# EAGLE board Mk4 Final Panel 8up 2x4 (EAGLE 9.0.1), part 21 of 23
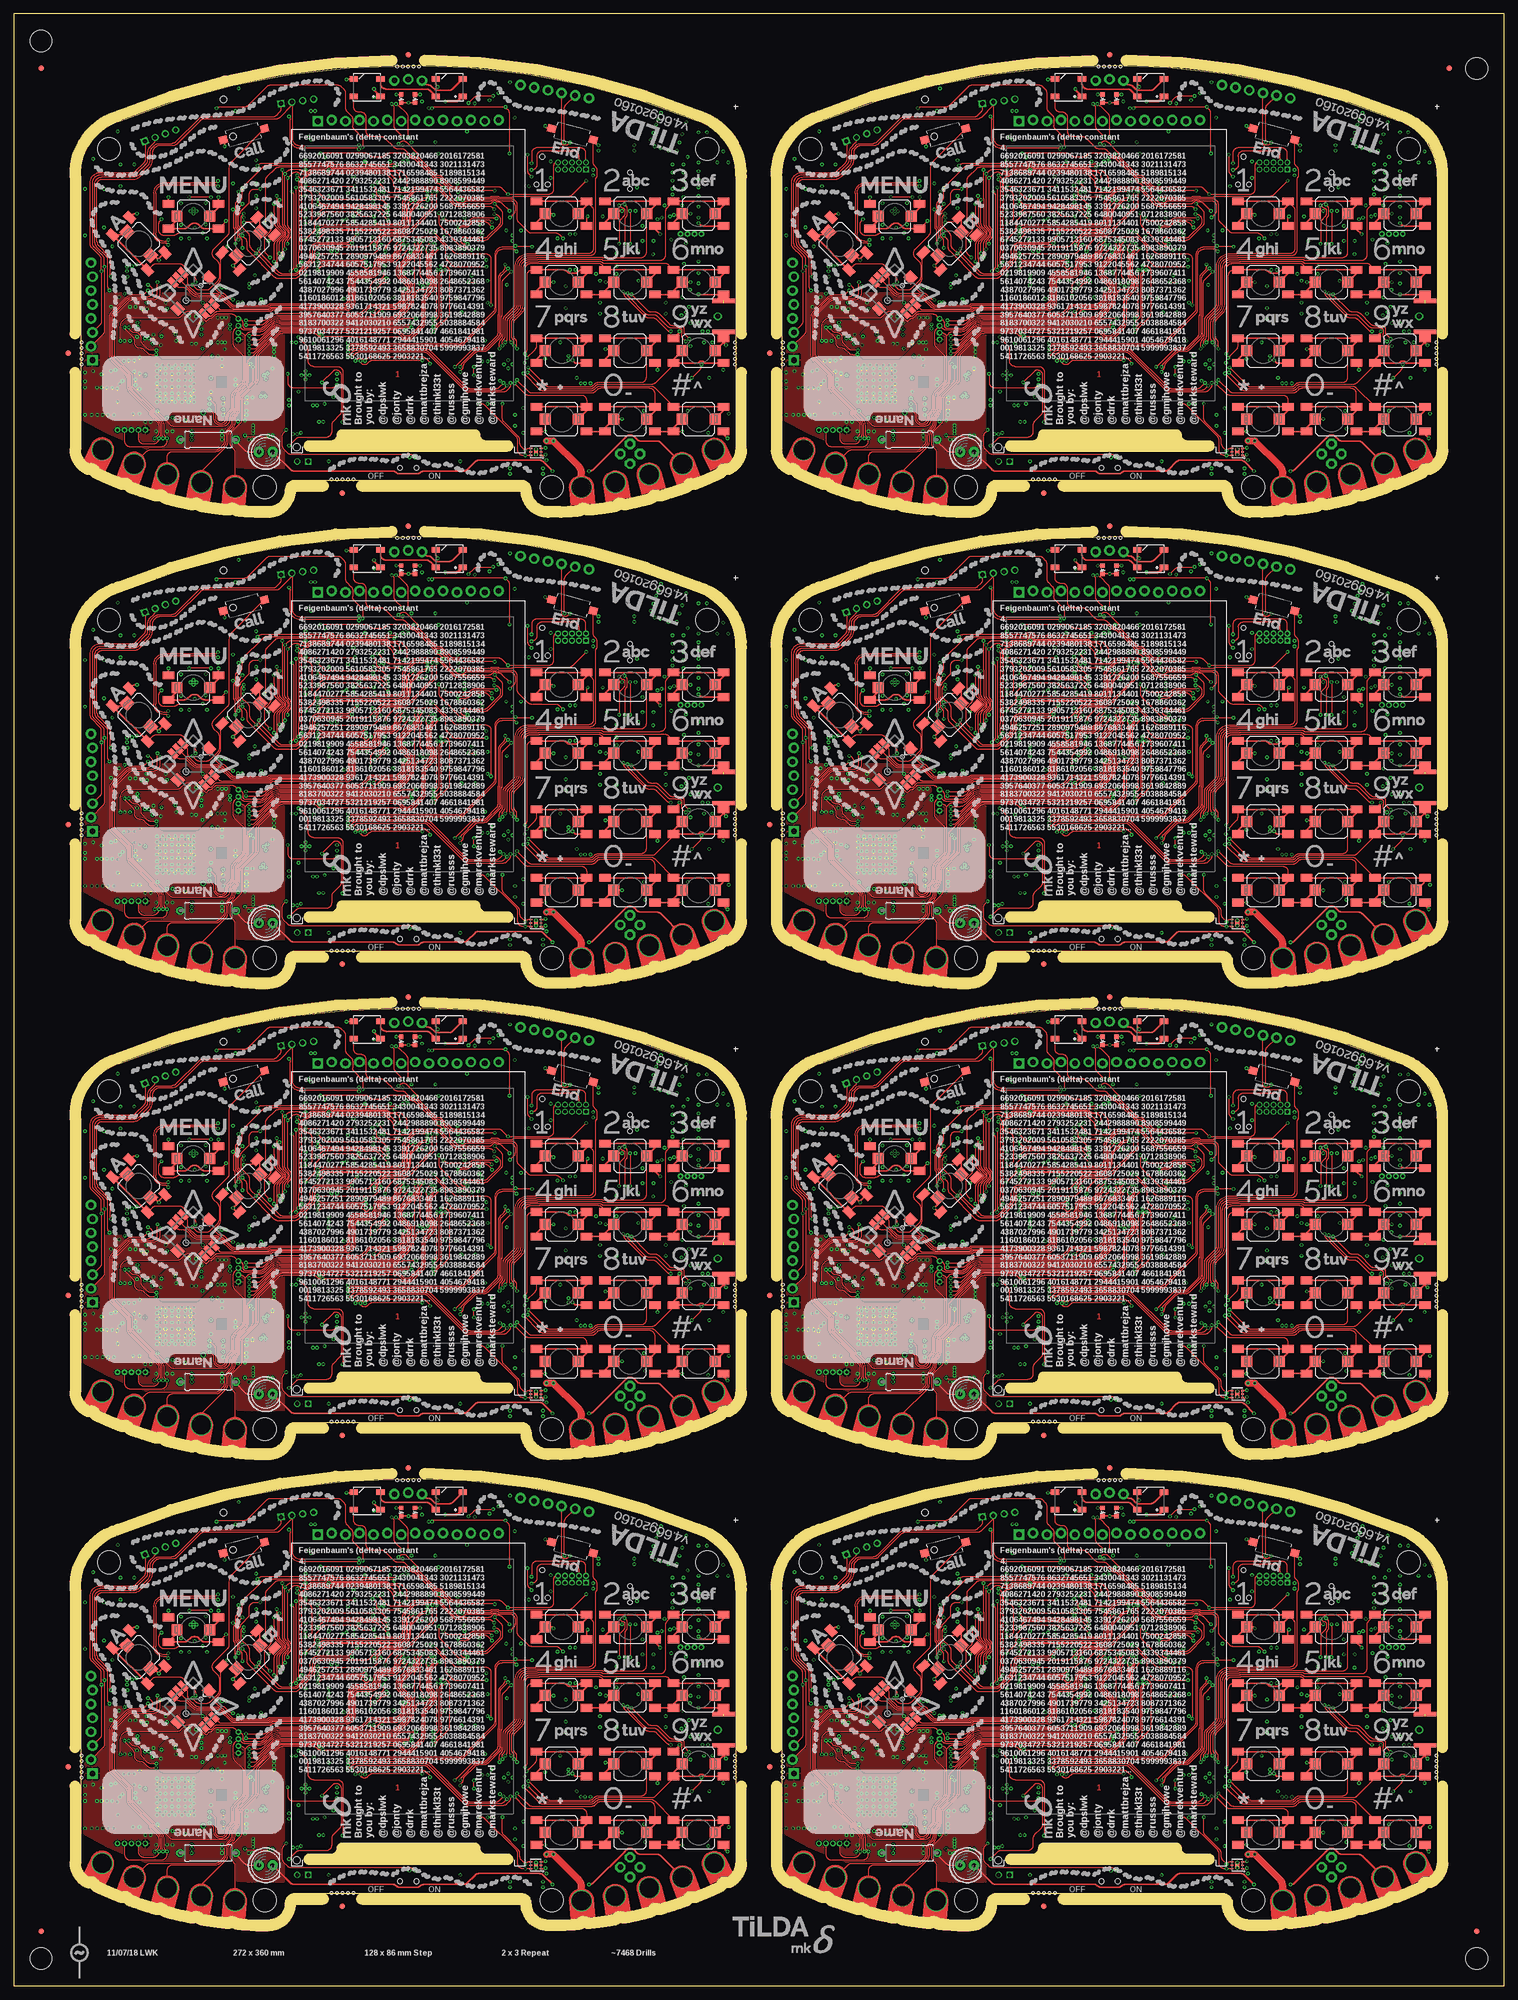
[diagram p0: board, top side]
## Tracks (layer width: path | path; a pad name or v marks a point on that pad's centre or on a via) (continued)
T4CCP14  (via drill 0.3)
  Top 0.15: v205,317.2 204.72,316.92 arc45 204.57,316.57 arc-45 204.46,316.3 204.19,316.03 arc45 203.9,315.32 203.9,312.61 arc45 204.19,311.91 204.42,311.68 arc-45 204.6,311.24 204.62,311.22 204.62,310.55 arc-45 204.19,309.49 203.17,308.47 arc45 202.8,307.58 202.8,303.72 arc-45 202.43,302.83 200.87,301.27 arc-45 199.98,300.9 199.41,300.9 arc-45 198.71,301.19 198.29,301.61 arc45 197.59,301.9 184.26,301.9 arc45 183.9,301.75 v183.8,301.65 183.74,301.71 arc45 183.04,302 177.07,302 arc45 176.19,301.63 172.67,298.12 arc45 172.3,297.23 172.3,293.41 arc-45 172.01,292.71 169.67,290.37 arc45 169.3,289.48 169.3,288.01 arc-45 168.69,286.54 arc45 168.4,285.84 168.4,285.3 arc-45 167.96,284.24 167.52,283.79 arc45 167.15,282.91 167.15,281.97 arc-45 166.71,280.91 162.2,276.4 PCB7.CH2
  3V3@2 0.15: PCB7.CH2 | v150.4,314.2 150.4,313.9 150,313.5 150,311.5 149,310.5 147.5,310.5 146.6,309.6 146.6,308.6 142.37,304.37 JP71.4
  Bottom 0.15: v183.8,301.65 arc-45 183.29,301.86 180.34,304.81 arc45 178.92,305.4 173.23,305.4 arc-45 172.52,305.69 168.93,309.29 arc-45 168.8,309.6 168.8,309.75 arc90 167.05,311.5 164.06,311.5 arc-45 163.36,311.79 161.76,313.39 arc45 160.53,313.9 151.11,313.9 arc-45 v150.41,314.19 v150.4,314.2
  Bottom 0.2: v205,317.2 205.44,317.63 arc-90 206.14,317.63 206.43,317.35 arc45 206.78,317.2 IC128.127
T4CCP15  (via drill 0.3)
  Top 0.15: PCB7.CH1 168.38,279.9 arc45 168.09,280.61 167.74,280.96 arc-45 167.45,281.66 167.45,282.89 arc-45 167.74,283.59 169.28,285.12 arc45 169.6,285.91 169.6,289.46 arc-45 169.89,290.17 172.23,292.51 arc45 172.6,293.39 172.6,297.21 arc-45 172.89,297.92 176.38,301.41 arc-45 177.09,301.7 182.59,301.7 arc-45 183.29,301.41 183.45,301.25 arc45 183.81,301.1 v184.4,301.1 190,301.1 190.05,301.05 197.94,301.05 arc-45 198.64,300.76 arc45 199.02,300.6 200.08,300.6 arc45 201.14,301.04 202.66,302.56 arc45 203.1,303.62 203.1,307.49 arc-45 203.39,308.19 204.41,309.21 arc45 204.93,310.45 204.93,311.34 204.9,311.37 arc45 204.66,311.94 204.49,312.11 arc-45 204.2,312.81 204.2,315.19 arc-45 204.49,315.89 v205.8,317.2
  3V3@2 0.15: v149.6,313.9 149.6,311.6 149,311 147,311 146.25,310.25 146.25,309 144.16,306.91 JP71.5
  Bottom 0.15: v184.4,301.1 183.81,301.1 arc-45 183.45,301.25 180.11,304.59 arc45 178.88,305.1 173.11,305.1 arc-45 172.4,305.39 168.65,309.15 arc-45 168.5,309.5 168.5,309.7 arc90 167,311.2 164.02,311.2 arc-45 163.13,311.57 161.54,313.16 arc45 160.48,313.6 150.31,313.6 arc-45 v149.61,313.89 v149.6,313.9
  Bottom 0.2: IC128.128 206.41,316.8 arc-45 206.05,316.95 v205.8,317.2
TCA_!INT  (via drill 0.3)
  Top 0.15: v72.4,58.6 arc-45 72.12,58.02 70.29,56.19 arc90 70.29,53.71 71.85,52.15 arc-45 72,51.79 72,51.71 arc-45 71.85,51.35 71.65,51.15 arc45 71.5,50.79 71.5,50.35 arc-45 71.06,49.28 70.61,48.84 arc-45 69.55,48.4 66.91,48.4 arc45 66.21,48.11 v65.7,47.6
  Bottom 0.15: R76.1 66.7,39.25 arc-90 65.7,40.25 v65.7,47.6 | IC1.15 72.6,58.19 arc45 72.45,58.55 v72.4,58.6
  Bottom 0.2: IC4.22 87.71,38.25 arc-45 87.35,38.4 87.06,38.69 arc-45 87.05,38.72 arc45 86.9,39.07 86.87,39.1 arc45 86.52,39.25 R76.1
TCA_!INT1  (via drill 0.3)
  Top 0.15: v200.4,58.6 arc-45 200.12,58.02 198.29,56.19 arc90 198.29,53.71 199.85,52.15 arc-45 200,51.79 200,51.71 arc-45 199.85,51.35 199.65,51.15 arc45 199.5,50.79 199.5,50.35 arc-45 199.06,49.28 198.62,48.84 arc-45 197.55,48.4 194.91,48.4 arc45 194.21,48.11 v193.7,47.6
  Bottom 0.15: R152.1 194.7,39.25 arc-90 193.7,40.25 v193.7,47.6 | IC20.15 200.6,58.19 arc45 200.45,58.55 v200.4,58.6
  Bottom 0.2: IC31.22 215.71,38.25 arc-45 215.35,38.4 215.06,38.69 arc-45 215.05,38.72 arc45 214.9,39.07 214.87,39.1 arc45 214.51,39.25 R152.1
TCA_!INT2  (via drill 0.3)
  Top 0.15: v72.4,144.6 arc-45 72.12,144.02 70.29,142.19 arc90 70.29,139.71 71.85,138.15 arc-45 72,137.79 72,137.71 arc-45 71.85,137.35 71.65,137.15 arc45 71.5,136.79 71.5,136.35 arc-45 71.06,135.28 70.61,134.84 arc-45 69.55,134.4 66.91,134.4 arc45 66.21,134.11 v65.7,133.6
  Bottom 0.15: R230.1 66.7,125.25 arc-90 65.7,126.25 v65.7,133.6 | IC38.15 72.6,144.19 arc45 72.45,144.55 v72.4,144.6
  Bottom 0.2: IC49.22 87.71,124.25 arc-45 87.35,124.4 87.06,124.69 arc-45 87.05,124.72 arc45 86.9,125.07 86.87,125.1 arc45 86.52,125.25 R230.1
TCA_!INT3  (via drill 0.3)
  Top 0.15: v200.4,144.6 arc-45 200.12,144.02 198.29,142.19 arc90 198.29,139.71 199.85,138.15 arc-45 200,137.79 200,137.71 arc-45 199.85,137.35 199.65,137.15 arc45 199.5,136.79 199.5,136.35 arc-45 199.06,135.28 198.62,134.84 arc-45 197.55,134.4 194.91,134.4 arc45 194.21,134.11 v193.7,133.6
  Bottom 0.15: R308.1 194.7,125.25 arc-90 193.7,126.25 v193.7,133.6 | IC56.15 200.6,144.19 arc45 200.45,144.55 v200.4,144.6
  Bottom 0.2: IC67.22 215.71,124.25 arc-45 215.35,124.4 215.06,124.69 arc-45 215.05,124.72 arc45 214.9,125.07 214.87,125.1 arc45 214.51,125.25 R308.1
TCA_!INT4  (via drill 0.3)
  Top 0.15: v72.4,230.6 arc-45 72.12,230.02 70.29,228.19 arc90 70.29,225.71 71.85,224.15 arc-45 72,223.79 72,223.71 arc-45 71.85,223.35 71.65,223.15 arc45 71.5,222.79 71.5,222.35 arc-45 71.06,221.28 70.61,220.84 arc-45 69.55,220.4 66.91,220.4 arc45 66.21,220.11 v65.7,219.6
  Bottom 0.15: R386.1 66.7,211.25 arc-90 65.7,212.25 v65.7,219.6 | IC74.15 72.6,230.19 arc45 72.45,230.55 v72.4,230.6
  Bottom 0.2: IC85.22 87.71,210.25 arc-45 87.35,210.4 87.06,210.69 arc-45 87.05,210.72 arc45 86.9,211.07 86.87,211.1 arc45 86.52,211.25 R386.1
TCA_!INT5  (via drill 0.3)
  Top 0.15: v200.4,230.6 arc-45 200.12,230.02 198.29,228.19 arc90 198.29,225.71 199.85,224.15 arc-45 200,223.79 200,223.71 arc-45 199.85,223.35 199.65,223.15 arc45 199.5,222.79 199.5,222.35 arc-45 199.06,221.28 198.62,220.84 arc-45 197.55,220.4 194.91,220.4 arc45 194.21,220.11 v193.7,219.6
  Bottom 0.15: R464.1 194.7,211.25 arc-90 193.7,212.25 v193.7,219.6 | IC92.15 200.6,230.19 arc45 200.45,230.55 v200.4,230.6
  Bottom 0.2: IC103.22 215.71,210.25 arc-45 215.35,210.4 215.06,210.69 arc-45 215.05,210.72 arc45 214.9,211.07 214.87,211.1 arc45 214.51,211.25 R464.1
TCA_!INT6  (via drill 0.3)
  Top 0.15: v72.4,316.6 arc-45 72.12,316.02 70.29,314.19 arc90 70.29,311.71 71.85,310.15 arc-45 72,309.79 72,309.71 arc-45 71.85,309.35 71.65,309.15 arc45 71.5,308.79 71.5,308.35 arc-45 71.06,307.29 70.61,306.84 arc-45 69.55,306.4 66.91,306.4 arc45 66.21,306.11 v65.7,305.6
  Bottom 0.15: R542.1 66.7,297.25 arc-90 65.7,298.25 v65.7,305.6 | IC110.15 72.6,316.19 arc45 72.45,316.55 v72.4,316.6
  Bottom 0.2: IC121.22 87.71,296.25 arc-45 87.35,296.4 87.06,296.69 arc-45 87.05,296.71 arc45 86.9,297.07 86.87,297.1 arc45 86.52,297.25 R542.1
TCA_!INT7  (via drill 0.3)
  Top 0.15: v200.4,316.6 arc-45 200.12,316.02 198.29,314.19 arc90 198.29,311.71 199.85,310.15 arc-45 200,309.79 200,309.71 arc-45 199.85,309.35 199.65,309.15 arc45 199.5,308.79 199.5,308.35 arc-45 199.06,307.29 198.62,306.84 arc-45 197.55,306.4 194.91,306.4 arc45 194.21,306.11 v193.7,305.6
  Bottom 0.15: R620.1 194.7,297.25 arc-90 193.7,298.25 v193.7,305.6 | IC128.15 200.6,316.19 arc45 200.45,316.55 v200.4,316.6
  Bottom 0.2: IC139.22 215.71,296.25 arc-45 215.35,296.4 215.06,296.69 arc-45 215.05,296.71 arc45 214.9,297.07 214.87,297.1 arc45 214.51,297.25 R620.1
TPS_FB
  Bottom 0.25: IC9.2 R61.1 R60.2 C103.2
TPS_FB1
  Bottom 0.25: IC33.2 R139.1 R138.2 C211.2
TPS_FB2
  Bottom 0.25: IC51.2 R217.1 R216.2 C319.2
TPS_FB3
  Bottom 0.25: IC69.2 R295.1 R294.2 C427.2
TPS_FB4
  Bottom 0.25: IC87.2 R373.1 R372.2 C535.2
TPS_FB5
  Bottom 0.25: IC105.2 R451.1 R450.2 C643.2
TPS_FB6
  Bottom 0.25: IC123.2 R529.1 R528.2 C751.2
TPS_FB7
  Bottom 0.25: IC141.2 R607.1 R606.2 C859.2
UART0_CON_RX  (via drill 0.3)
  Top 0.15: v65.9,59.05 65.9,59.16 66.18,59.44 arc45 66.33,59.79 66.33,59.82 arc-45 66.47,60.17 67.51,61.21 arc-45 68.21,61.5 70.66,61.5 arc45 72.61,62.3 76.91,66.61 arc45 77.2,67.31 v77.2,69.5 | v101.5,78.5 v101.49,78.5 101.11,78.12 arc-45 100.76,77.97 100.47,77.97 arc-90 99.97,78.47 JP8.4
  Bottom 0.15: v65.9,59.05 65.85,59.05 65.75,58.95 arc-45 65.39,58.8 IC1.33 | v77.2,69.5 arc-45 77.47,70.14 80.13,72.81 arc-45 80.84,73.1 89.19,73.1 arc45 89.89,73.39 94.01,77.51 arc-45 94.71,77.8 100.59,77.8 arc45 100.95,77.95 v101.5,78.5
UART0_CON_RX1  (via drill 0.3)
  Top 0.15: v193.9,59.05 193.9,59.16 194.18,59.44 arc45 194.32,59.79 194.32,59.82 arc-45 194.47,60.17 195.51,61.21 arc-45 196.21,61.5 198.66,61.5 arc45 200.6,62.3 204.91,66.61 arc45 205.2,67.31 v205.2,69.5 | v229.5,78.5 v229.49,78.5 229.11,78.12 arc-45 228.76,77.97 228.47,77.97 arc-90 227.97,78.47 JP18.4
  Bottom 0.15: v193.9,59.05 193.85,59.05 193.75,58.95 arc-45 193.39,58.8 IC20.33 | v205.2,69.5 arc-45 205.47,70.14 208.13,72.81 arc-45 208.84,73.1 217.19,73.1 arc45 217.89,73.39 222.01,77.51 arc-45 222.71,77.8 228.59,77.8 arc45 228.95,77.95 v229.5,78.5
UART0_CON_RX2  (via drill 0.3)
  Top 0.15: v65.9,145.05 65.9,145.16 66.18,145.44 arc45 66.33,145.79 66.33,145.82 arc-45 66.47,146.17 67.51,147.21 arc-45 68.21,147.5 70.66,147.5 arc45 72.61,148.31 76.91,152.61 arc45 77.2,153.31 v77.2,155.5 | v101.5,164.5 v101.49,164.5 101.11,164.12 arc-45 100.76,163.97 100.47,163.97 arc-90 99.97,164.47 JP27.4
  Bottom 0.15: v65.9,145.05 65.85,145.05 65.75,144.95 arc-45 65.39,144.8 IC38.33 | v77.2,155.5 arc-45 77.47,156.14 80.13,158.81 arc-45 80.84,159.1 89.19,159.1 arc45 89.89,159.39 94.01,163.51 arc-45 94.71,163.8 100.59,163.8 arc45 100.95,163.95 v101.5,164.5
UART0_CON_RX3  (via drill 0.3)
  Top 0.15: v193.9,145.05 193.9,145.16 194.18,145.44 arc45 194.32,145.79 194.32,145.82 arc-45 194.47,146.17 195.51,147.21 arc-45 196.21,147.5 198.66,147.5 arc45 200.6,148.31 204.91,152.61 arc45 205.2,153.31 v205.2,155.5 | v229.5,164.5 v229.49,164.5 229.11,164.12 arc-45 228.76,163.97 228.47,163.97 arc-90 227.97,164.47 JP36.4
  Bottom 0.15: v193.9,145.05 193.85,145.05 193.75,144.95 arc-45 193.39,144.8 IC56.33 | v205.2,155.5 arc-45 205.47,156.14 208.13,158.81 arc-45 208.84,159.1 217.19,159.1 arc45 217.89,159.39 222.01,163.51 arc-45 222.71,163.8 228.59,163.8 arc45 228.95,163.95 v229.5,164.5
UART0_CON_RX4  (via drill 0.3)
  Top 0.15: v65.9,231.05 65.9,231.16 66.18,231.44 arc45 66.33,231.79 66.33,231.82 arc-45 66.47,232.17 67.51,233.21 arc-45 68.21,233.5 70.66,233.5 arc45 72.61,234.31 76.91,238.61 arc45 77.2,239.31 v77.2,241.5 | v101.5,250.5 v101.49,250.5 101.11,250.12 arc-45 100.76,249.97 100.47,249.97 arc-90 99.97,250.47 JP45.4
  Bottom 0.15: v65.9,231.05 65.85,231.05 65.75,230.95 arc-45 65.39,230.8 IC74.33 | v77.2,241.5 arc-45 77.47,242.14 80.13,244.81 arc-45 80.84,245.1 89.19,245.1 arc45 89.89,245.39 94.01,249.51 arc-45 94.71,249.8 100.59,249.8 arc45 100.95,249.95 v101.5,250.5
UART0_CON_RX5  (via drill 0.3)
  Top 0.15: v193.9,231.05 193.9,231.16 194.18,231.44 arc45 194.32,231.79 194.32,231.82 arc-45 194.47,232.17 195.51,233.21 arc-45 196.21,233.5 198.66,233.5 arc45 200.6,234.31 204.91,238.61 arc45 205.2,239.31 v205.2,241.5 | v229.5,250.5 v229.49,250.5 229.11,250.12 arc-45 228.76,249.97 228.47,249.97 arc-90 227.97,250.47 JP54.4
  Bottom 0.15: v193.9,231.05 193.85,231.05 193.75,230.95 arc-45 193.39,230.8 IC92.33 | v205.2,241.5 arc-45 205.47,242.14 208.13,244.81 arc-45 208.84,245.1 217.19,245.1 arc45 217.89,245.39 222.01,249.51 arc-45 222.71,249.8 228.59,249.8 arc45 228.95,249.95 v229.5,250.5
UART0_CON_RX6  (via drill 0.3)
  Top 0.15: v65.9,317.05 65.9,317.16 66.18,317.44 arc45 66.33,317.79 66.33,317.82 arc-45 66.47,318.17 67.51,319.21 arc-45 68.21,319.5 70.66,319.5 arc45 72.61,320.31 76.91,324.61 arc45 77.2,325.31 v77.2,327.5 | v101.5,336.5 v101.49,336.5 101.11,336.12 arc-45 100.76,335.98 100.47,335.98 arc-90 99.97,336.48 JP63.4
  Bottom 0.15: v65.9,317.05 65.85,317.05 65.75,316.95 arc-45 65.39,316.8 IC110.33 | v77.2,327.5 arc-45 77.47,328.14 80.13,330.81 arc-45 80.84,331.1 89.19,331.1 arc45 89.89,331.39 94.01,335.51 arc-45 94.71,335.8 100.59,335.8 arc45 100.95,335.95 v101.5,336.5
UART0_CON_RX7  (via drill 0.3)
  Top 0.15: v193.9,317.05 193.9,317.16 194.18,317.44 arc45 194.32,317.79 194.32,317.82 arc-45 194.47,318.17 195.51,319.21 arc-45 196.21,319.5 198.66,319.5 arc45 200.6,320.31 204.91,324.61 arc45 205.2,325.31 v205.2,327.5 | v229.5,336.5 v229.49,336.5 229.11,336.12 arc-45 228.76,335.98 228.47,335.98 arc-90 227.97,336.48 JP72.4
  Bottom 0.15: v193.9,317.05 193.85,317.05 193.75,316.95 arc-45 193.39,316.8 IC128.33 | v205.2,327.5 arc-45 205.47,328.14 208.13,330.81 arc-45 208.84,331.1 217.19,331.1 arc45 217.89,331.39 222.01,335.51 arc-45 222.71,335.8 228.59,335.8 arc45 228.95,335.95 v229.5,336.5
UART0_CON_TX  (via drill 0.3)
  Top 0.15: v65.8,59.8 arc-45 65.94,60.14 67.23,61.43 arc-45 68.12,61.8 70.56,61.8 arc45 72.33,62.53 76.11,66.31 arc45 76.4,67.01 v76.4,69.5 | v100.5,78.5 100.5,84.67 arc-45 100.79,85.38 JP8.5
  Bottom 0.15: v76.4,69.5 80.01,73.11 arc-45 80.71,73.4 89.04,73.4 arc45 89.74,73.69 93.86,77.81 arc-45 94.56,78.1 99.99,78.1 arc45 100.35,78.25 100.5,78.4 v100.5,78.5 | IC1.34 64.99,59.2 arc45 65.35,59.35 v65.8,59.8
UART0_CON_TX1  (via drill 0.3)
  Top 0.15: v193.8,59.8 arc-45 193.94,60.14 195.23,61.43 arc-45 196.12,61.8 198.56,61.8 arc45 200.33,62.53 204.11,66.31 arc45 204.4,67.01 v204.4,69.5 | v228.5,78.5 228.5,84.67 arc-45 228.79,85.38 JP18.5
  Bottom 0.15: v204.4,69.5 208.01,73.11 arc-45 208.71,73.4 217.04,73.4 arc45 217.74,73.69 221.86,77.81 arc-45 222.56,78.1 227.99,78.1 arc45 228.35,78.25 228.5,78.4 v228.5,78.5 | IC20.34 192.99,59.2 arc45 193.35,59.35 v193.8,59.8
UART0_CON_TX2  (via drill 0.3)
  Top 0.15: v65.8,145.8 arc-45 65.94,146.14 67.23,147.43 arc-45 68.12,147.8 70.56,147.8 arc45 72.33,148.53 76.11,152.31 arc45 76.4,153.01 v76.4,155.5 | v100.5,164.5 100.5,170.67 arc-45 100.79,171.38 JP27.5
  Bottom 0.15: v76.4,155.5 80.01,159.11 arc-45 80.71,159.4 89.04,159.4 arc45 89.74,159.69 93.86,163.81 arc-45 94.56,164.1 99.99,164.1 arc45 100.35,164.25 100.5,164.4 v100.5,164.5 | IC38.34 64.99,145.2 arc45 65.35,145.35 v65.8,145.8
UART0_CON_TX3  (via drill 0.3)
  Top 0.15: v193.8,145.8 arc-45 193.94,146.14 195.23,147.43 arc-45 196.12,147.8 198.56,147.8 arc45 200.33,148.53 204.11,152.31 arc45 204.4,153.01 v204.4,155.5 | v228.5,164.5 228.5,170.67 arc-45 228.79,171.38 JP36.5
  Bottom 0.15: v204.4,155.5 208.01,159.11 arc-45 208.71,159.4 217.04,159.4 arc45 217.74,159.69 221.86,163.81 arc-45 222.56,164.1 227.99,164.1 arc45 228.35,164.25 228.5,164.4 v228.5,164.5 | IC56.34 192.99,145.2 arc45 193.35,145.35 v193.8,145.8
UART0_CON_TX4  (via drill 0.3)
  Top 0.15: v65.8,231.8 arc-45 65.94,232.14 67.23,233.43 arc-45 68.12,233.8 70.56,233.8 arc45 72.33,234.53 76.11,238.31 arc45 76.4,239.01 v76.4,241.5 | v100.5,250.5 100.5,256.67 arc-45 100.79,257.38 JP45.5
  Bottom 0.15: v76.4,241.5 80.01,245.11 arc-45 80.71,245.4 89.04,245.4 arc45 89.74,245.69 93.86,249.81 arc-45 94.56,250.1 99.99,250.1 arc45 100.35,250.25 100.5,250.4 v100.5,250.5 | IC74.34 64.99,231.2 arc45 65.35,231.35 v65.8,231.8
UART0_CON_TX5  (via drill 0.3)
  Top 0.15: v193.8,231.8 arc-45 193.94,232.14 195.23,233.43 arc-45 196.12,233.8 198.56,233.8 arc45 200.33,234.53 204.11,238.31 arc45 204.4,239.01 v204.4,241.5 | v228.5,250.5 228.5,256.67 arc-45 228.79,257.38 JP54.5
  Bottom 0.15: v204.4,241.5 208.01,245.11 arc-45 208.71,245.4 217.04,245.4 arc45 217.74,245.69 221.86,249.81 arc-45 222.56,250.1 227.99,250.1 arc45 228.35,250.25 228.5,250.4 v228.5,250.5 | IC92.34 192.99,231.2 arc45 193.35,231.35 v193.8,231.8
UART0_CON_TX6  (via drill 0.3)
  Top 0.15: v65.8,317.8 arc-45 65.94,318.14 67.23,319.43 arc-45 68.12,319.8 70.56,319.8 arc45 72.33,320.53 76.11,324.31 arc45 76.4,325.01 v76.4,327.5 | v100.5,336.5 100.5,342.67 arc-45 100.79,343.38 JP63.5
  Bottom 0.15: v76.4,327.5 80.01,331.11 arc-45 80.71,331.4 89.04,331.4 arc45 89.74,331.69 93.86,335.81 arc-45 94.56,336.1 99.99,336.1 arc45 100.35,336.25 100.5,336.4 v100.5,336.5 | IC110.34 64.99,317.2 arc45 65.35,317.35 v65.8,317.8
UART0_CON_TX7  (via drill 0.3)
  Top 0.15: v193.8,317.8 arc-45 193.94,318.14 195.23,319.43 arc-45 196.12,319.8 198.56,319.8 arc45 200.33,320.53 204.11,324.31 arc45 204.4,325.01 v204.4,327.5 | v228.5,336.5 228.5,342.67 arc-45 228.79,343.38 JP72.5
  Bottom 0.15: v204.4,327.5 208.01,331.11 arc-45 208.71,331.4 217.04,331.4 arc45 217.74,331.69 221.86,335.81 arc-45 222.56,336.1 227.99,336.1 arc45 228.35,336.25 228.5,336.4 v228.5,336.5 | IC128.34 192.99,317.2 arc45 193.35,317.35 v193.8,317.8
UART1_SIM_RX  (via drill 0.3)
  Top 0.15: v81.1,63.4 82.34,63.4 arc45 83.04,63.69 83.38,64.03 arc-45 84.27,64.4 86.66,64.4 arc-45 86.9,64.3 v87.25,63.95
  Bottom 0.15: R36.1 TP9.TP 97.09,47.91 arc-45 96.8,48.61 96.8,51.34 arc45 96.51,52.05 87.52,61.04 arc-45 87.22,61.75 87.22,62.01 arc45 87.08,62.36 86.92,62.52 arc-45 86.78,62.87 86.78,63.01 arc-45 86.92,63.36 87.07,63.51 arc45 v87.25,63.95 | IC1.118 80.5,62.8 v81.1,63.4
UART1_SIM_RX1  (via drill 0.3)
  Top 0.15: v209.1,63.4 210.34,63.4 arc45 211.04,63.69 211.38,64.03 arc-45 212.27,64.4 214.66,64.4 arc-45 214.9,64.3 v215.25,63.95
  Bottom 0.15: R119.1 TP28.TP 225.09,47.91 arc-45 224.8,48.61 224.8,51.34 arc45 224.51,52.05 215.52,61.04 arc-45 215.22,61.75 215.22,62.01 arc45 215.08,62.36 214.92,62.52 arc-45 214.78,62.87 214.78,63.01 arc-45 214.92,63.36 215.07,63.51 arc45 v215.25,63.95 | IC20.118 208.5,62.8 v209.1,63.4
UART1_SIM_RX2  (via drill 0.3)
  Top 0.15: v81.1,149.4 82.34,149.4 arc45 83.04,149.69 83.38,150.03 arc-45 84.27,150.4 86.66,150.4 arc-45 86.9,150.3 v87.25,149.95
  Bottom 0.15: R197.1 TP47.TP 97.09,133.91 arc-45 96.8,134.61 96.8,137.34 arc45 96.51,138.05 87.52,147.04 arc-45 87.22,147.75 87.22,148.01 arc45 87.08,148.36 86.92,148.52 arc-45 86.78,148.87 86.78,149.01 arc-45 86.92,149.36 87.07,149.51 arc45 v87.25,149.95 | IC38.118 80.5,148.8 v81.1,149.4
UART1_SIM_RX3  (via drill 0.3)
  Top 0.15: v209.1,149.4 210.34,149.4 arc45 211.04,149.69 211.38,150.03 arc-45 212.27,150.4 214.66,150.4 arc-45 214.9,150.3 v215.25,149.95
  Bottom 0.15: R275.1 TP66.TP 225.09,133.91 arc-45 224.8,134.61 224.8,137.34 arc45 224.51,138.05 215.52,147.04 arc-45 215.22,147.75 215.22,148.01 arc45 215.08,148.36 214.92,148.52 arc-45 214.78,148.87 214.78,149.01 arc-45 214.92,149.36 215.07,149.51 arc45 v215.25,149.95 | IC56.118 208.5,148.8 v209.1,149.4
UART1_SIM_RX4  (via drill 0.3)
  Top 0.15: v81.1,235.4 82.34,235.4 arc45 83.04,235.69 83.38,236.03 arc-45 84.27,236.4 86.66,236.4 arc-45 86.9,236.3 v87.25,235.95
  Bottom 0.15: R353.1 TP85.TP 97.09,219.91 arc-45 96.8,220.61 96.8,223.34 arc45 96.51,224.05 87.52,233.04 arc-45 87.22,233.75 87.22,234.01 arc45 87.08,234.36 86.92,234.52 arc-45 86.78,234.87 86.78,235.01 arc-45 86.92,235.36 87.07,235.51 arc45 v87.25,235.95 | IC74.118 80.5,234.8 v81.1,235.4
UART1_SIM_RX5  (via drill 0.3)
  Top 0.15: v209.1,235.4 210.34,235.4 arc45 211.04,235.69 211.38,236.03 arc-45 212.27,236.4 214.66,236.4 arc-45 214.9,236.3 v215.25,235.95
  Bottom 0.15: R431.1 TP104.TP 225.09,219.91 arc-45 224.8,220.61 224.8,223.34 arc45 224.51,224.05 215.52,233.04 arc-45 215.22,233.75 215.22,234.01 arc45 215.08,234.36 214.92,234.52 arc-45 214.78,234.87 214.78,235.01 arc-45 214.92,235.36 215.07,235.51 arc45 v215.25,235.95 | IC92.118 208.5,234.8 v209.1,235.4
UART1_SIM_RX6  (via drill 0.3)
  Top 0.15: v81.1,321.4 82.34,321.4 arc45 83.04,321.69 83.38,322.03 arc-45 84.27,322.4 86.66,322.4 arc-45 86.9,322.3 v87.25,321.95
  Bottom 0.15: R509.1 TP123.TP 97.09,305.91 arc-45 96.8,306.61 96.8,309.34 arc45 96.51,310.05 87.52,319.04 arc-45 87.22,319.75 87.22,320.01 arc45 87.08,320.36 86.92,320.52 arc-45 86.78,320.87 86.78,321.01 arc-45 86.92,321.36 87.07,321.51 arc45 v87.25,321.95 | IC110.118 80.5,320.8 v81.1,321.4
UART1_SIM_RX7  (via drill 0.3)
  Top 0.15: v209.1,321.4 210.34,321.4 arc45 211.04,321.69 211.38,322.03 arc-45 212.27,322.4 214.66,322.4 arc-45 214.9,322.3 v215.25,321.95
  Bottom 0.15: R587.1 TP142.TP 225.09,305.91 arc-45 224.8,306.61 224.8,309.34 arc45 224.51,310.05 215.52,319.04 arc-45 215.22,319.75 215.22,320.01 arc45 215.08,320.36 214.92,320.52 arc-45 214.78,320.87 214.78,321.01 arc-45 214.92,321.36 215.07,321.51 arc45 v215.25,321.95 | IC128.118 208.5,320.8 v209.1,321.4
UART1_SIM_TX  (via drill 0.3)
  Top 0.15: v81.1,62.6 81.6,63.1 82.54,63.1 arc45 83.24,63.39 83.66,63.81 arc-45 84.36,64.1 85.79,64.1 arc-45 86.49,63.81 v87.3,63
  Bottom 0.15: R37.1 TP8.TP 97.39,49.61 arc-45 97.1,50.31 97.1,51.47 arc45 96.81,52.17 87.82,61.16 arc-45 87.53,61.87 87.53,62.56 arc45 87.38,62.91 87.3,62.99 v87.3,63 | IC1.119 80.9,62.4 v81.1,62.6
UART1_SIM_TX1  (via drill 0.3)
  Top 0.15: v209.1,62.6 209.6,63.1 210.54,63.1 arc45 211.24,63.39 211.66,63.81 arc-45 212.36,64.1 213.79,64.1 arc-45 214.49,63.81 v215.3,63
  Bottom 0.15: R120.1 TP27.TP 225.39,49.61 arc-45 225.1,50.31 225.1,51.47 arc45 224.81,52.17 215.82,61.16 arc-45 215.53,61.87 215.53,62.56 arc45 215.38,62.91 215.3,62.99 v215.3,63 | IC20.119 208.9,62.4 v209.1,62.6
UART1_SIM_TX2  (via drill 0.3)
  Top 0.15: v81.1,148.6 81.6,149.1 82.54,149.1 arc45 83.24,149.39 83.66,149.81 arc-45 84.36,150.1 85.79,150.1 arc-45 86.49,149.81 v87.3,149
  Bottom 0.15: R198.1 TP46.TP 97.39,135.61 arc-45 97.1,136.31 97.1,137.47 arc45 96.81,138.18 87.82,147.16 arc-45 87.53,147.87 87.53,148.56 arc45 87.38,148.91 v87.3,148.99 v87.3,149 | IC38.119 80.9,148.4 v81.1,148.6
UART1_SIM_TX3  (via drill 0.3)
  Top 0.15: v209.1,148.6 209.6,149.1 210.54,149.1 arc45 211.24,149.39 211.66,149.81 arc-45 212.36,150.1 213.79,150.1 arc-45 214.49,149.81 v215.3,149
  Bottom 0.15: R276.1 TP65.TP 225.39,135.61 arc-45 225.1,136.31 225.1,137.47 arc45 224.81,138.18 215.82,147.16 arc-45 215.53,147.87 215.53,148.56 arc45 215.38,148.91 v215.3,148.99 v215.3,149 | IC56.119 208.9,148.4 v209.1,148.6
UART1_SIM_TX4  (via drill 0.3)
  Top 0.15: v81.1,234.6 81.6,235.1 82.54,235.1 arc45 83.24,235.39 83.66,235.81 arc-45 84.36,236.1 85.79,236.1 arc-45 86.49,235.81 v87.3,235
  Bottom 0.15: R354.1 TP84.TP 97.39,221.61 arc-45 97.1,222.31 97.1,223.47 arc45 96.81,224.18 87.82,233.16 arc-45 87.53,233.87 87.53,234.56 arc45 87.38,234.91 v87.3,234.99 v87.3,235 | IC74.119 80.9,234.4 v81.1,234.6
UART1_SIM_TX5  (via drill 0.3)
  Top 0.15: v209.1,234.6 209.6,235.1 210.54,235.1 arc45 211.24,235.39 211.66,235.81 arc-45 212.36,236.1 213.79,236.1 arc-45 214.49,235.81 v215.3,235
  Bottom 0.15: R432.1 TP103.TP 225.39,221.61 arc-45 225.1,222.31 225.1,223.47 arc45 224.81,224.18 215.82,233.16 arc-45 215.53,233.87 215.53,234.56 arc45 215.38,234.91 v215.3,234.99 v215.3,235 | IC92.119 208.9,234.4 v209.1,234.6
UART1_SIM_TX6  (via drill 0.3)
  Top 0.15: v81.1,320.6 81.6,321.1 82.54,321.1 arc45 83.24,321.39 83.66,321.81 arc-45 84.36,322.1 85.79,322.1 arc-45 86.49,321.81 v87.3,321
  Bottom 0.15: R510.1 TP122.TP 97.39,307.61 arc-45 97.1,308.31 97.1,309.47 arc45 96.81,310.18 87.82,319.17 arc-45 87.53,319.87 87.53,320.56 arc45 87.38,320.91 87.3,320.99 v87.3,321 | IC110.119 80.9,320.4 v81.1,320.6
UART1_SIM_TX7  (via drill 0.3)
  Top 0.15: v209.1,320.6 209.6,321.1 210.54,321.1 arc45 211.24,321.39 211.66,321.81 arc-45 212.36,322.1 213.79,322.1 arc-45 214.49,321.81 v215.3,321
  Bottom 0.15: R588.1 TP141.TP 225.39,307.61 arc-45 225.1,308.31 225.1,309.47 arc45 224.81,310.18 215.82,319.17 arc-45 215.53,319.87 215.53,320.56 arc45 215.38,320.91 215.3,320.99 v215.3,321 | IC128.119 208.9,320.4 v209.1,320.6
UART3_CC_RX  (via drill 0.3)
  Top 0.15: v35.75,31.75 36.46,31.04 arc-45 36.75,30.34 36.75,28.25 arc90 37.75,27.25 37.8,27.25 arc90 38.8,28.25 arc-45 39.24,29.31 39.51,29.58 arc45 39.8,30.29 39.8,31.95 arc-45 40.31,33.19 41.66,34.53 arc45 41.95,35.24 41.95,39.14 arc45 41.66,39.84 40.29,41.21 arc-45 40,41.91 40,43.63 arc-45 40.29,44.33 JP5.3 41.04,45.04 41.48,44.59 arc45 42.19,44.3 44.94,44.3 arc45 45.82,44.67 46.68,45.52 arc-45 48.8,46.4 69.01,46.4 arc45 69.9,46.77 72.11,48.98 arc45 72.4,49.68 72.4,50.19 arc-45 72.55,50.55 72.75,50.75 arc45 72.9,51.11 72.9,51.98 arc45 72.53,52.87 71.1,54.3 arc-90 71.1,55.71 73.45,58.06 arc45 73.6,58.42 73.6,58.43 arc-45 73.75,58.78 arc45 73.83,58.97 73.83,60.12 arc-45 73.97,60.47 v74,60.5
  Bottom 0.15: IC15.55 34.35,35.25 arc-90 35.35,34.25 35.35,32.35 arc45 35.41,32.21 35.47,32.15 arc-45 35.52,32.01 35.52,31.98 v35.75,31.75 R68.1 | IC1.116 75,63.6 arc90 74,62.6 v74,60.5
UART3_CC_RX1  (via drill 0.3)
  Top 0.15: v163.75,31.75 164.46,31.04 arc-45 164.75,30.34 164.75,28.25 arc90 165.75,27.25 165.8,27.25 arc90 166.8,28.25 arc-45 167.24,29.31 167.51,29.58 arc45 167.8,30.29 167.8,31.95 arc-45 168.31,33.19 169.66,34.53 arc45 169.95,35.24 169.95,39.14 arc45 169.66,39.84 168.29,41.21 arc-45 168,41.91 168,43.63 arc-45 168.29,44.33 JP16.3 169.04,45.04 169.48,44.59 arc45 170.19,44.3 172.94,44.3 arc45 173.82,44.67 174.68,45.52 arc-45 176.8,46.4 197.01,46.4 arc45 197.9,46.77 200.11,48.98 arc45 200.4,49.68 200.4,50.19 arc-45 200.55,50.55 200.75,50.75 arc45 200.9,51.11 200.9,51.98 arc45 200.53,52.87 199.1,54.3 arc-90 199.1,55.71 201.45,58.06 arc45 201.6,58.42 201.6,58.43 arc-45 201.75,58.78 arc45 201.82,58.97 201.82,60.12 arc-45 201.97,60.47 v202,60.5
  Bottom 0.15: IC29.55 162.35,35.25 arc-90 163.35,34.25 163.35,32.35 arc45 163.41,32.21 163.47,32.15 arc-45 163.53,32.01 163.53,31.98 v163.75,31.75 R146.1 | IC20.116 203,63.6 arc90 202,62.6 v202,60.5